# Allegro board HI3516AREFB_VER_B_PCB.brd (continued)
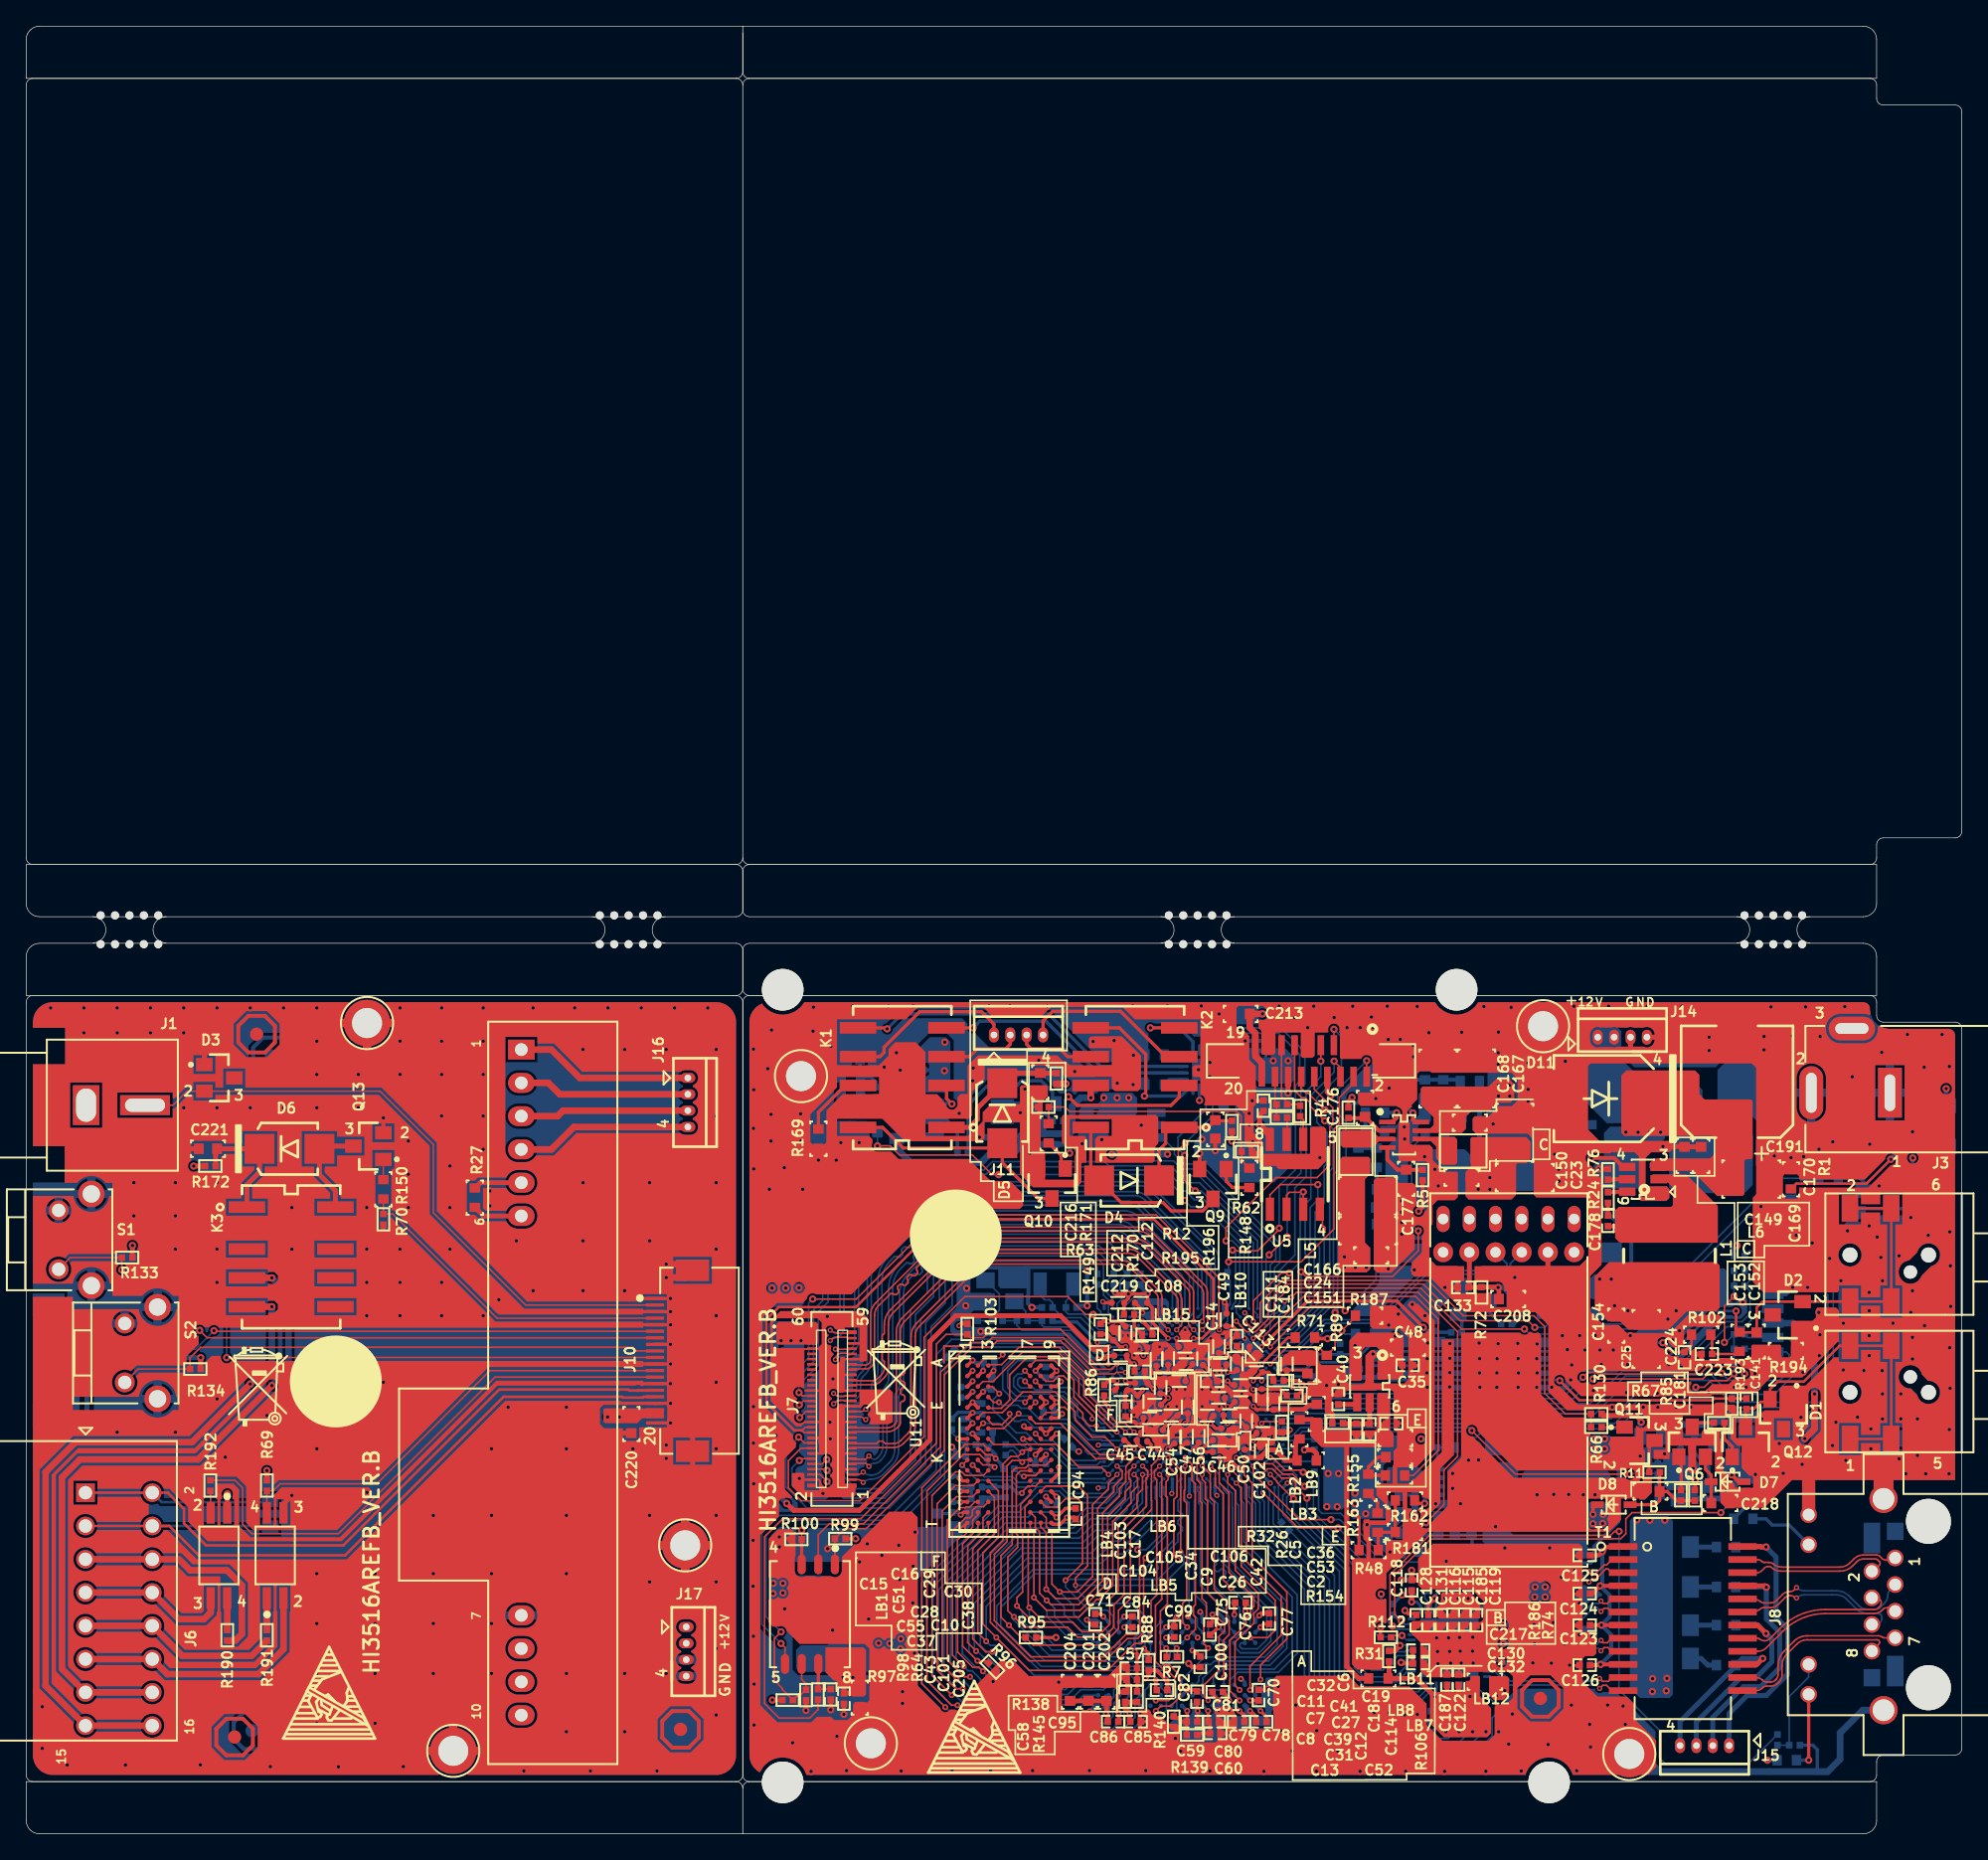
[diagram p0: board, top side]
## Placement (name value [footprint] x y rotation side) (continued)
LB12  NC  [SL0603]  111.34 11.6 0 top
LB13  MGLB2012_220T_LF  [SL0805]  120.1 40.56 270 bottom
LB14  MGLB2012_220T_LF  [SL0805]  124.03 30.32 0 bottom
LB15  NC  [SL0402]  84.18 39.65 180 top
LED1  LED2-4_A  [LED4-SMD]  147.04 48.81 90 bottom
LED2  LED  [SD3-1208-LED]  146.55 54.02 90 bottom
M5  HOLE  [HOLE140-90]  115.78 61.64 180 top
M6  HOLE  [HOLE140-90]  122.36 6.09 180 top
M7  HOLE  [HOLE140-90]  59.14 57.83 0 top
M8  HOLE  [HOLE140-90]  64.47 6.9 0 top
M9  HOLE  [HOLE140-90]  32.6 6.33 180 top
M10  HOLE  [HOLE140-90]  26.02 61.88 180 top
M11  HOLE  [HOLE140-90]  50.3 22.02 0 top
NOREF  -  [unnamed]  57.74 3.92 0 top
NOREF#2  -  [#2]  71.68 7.67 0 top
NOREF#3  -  [unnamed#3]  15.91 7.39 0 top
NOREF#4  -  [#2]  54.69 133.48 0 top
NOREF#5  -  [#2]  19.6 238.02 0 top
NOREF#6  -  [unnamed#4]  7.88 69 0 top
NOREF#7  -  [#2]  0 4.49 0 top
NOREF#8  -  [unnamed#3]  49.94 7.97 0 top
NOREF#9  -  [#2]  141.24 73.98 90 top
NOREF#10  -  [#2]  2.2 199.9 0 top
NOREF#11  -  [unnamed]  109.18 64.42 0 top
NOREF#12  -  [#2]  1.12 0 90 top
NOREF#13  -  [#2]  118.28 221.64 0 top
NOREF#14  -  [#2]  0 4.49 0 top
NOREF#15  -  [#2]  71.46 45.89 0 top
NOREF#16  -  [#2]  20.24 34.25 0 top
NOREF#17  -  [#2]  0.63 3.98 90 top
NOREF#18  -  [#2]  68.94 34.73 0 top
NOREF#19  -  [unnamed#4]  89.42 69 0 top
NOREF#20  -  [unnamed]  116.24 3.92 0 top
NOREF#21  -  [unnamed#3]  115.58 10.33 0 top
NOREF#22  -  [unnamed#3]  17.59 61.03 0 top
NOREF#23  -  [#2]  24.14 34.75 0 top
NOREF#24  -  [#2]  117.25 229.54 0 top
NOREF#25  -  [#2]  1.02 0 90 top
NOREF#26  -  [unnamed]  57.74 64.42 0 top
NOREF#27  -  [unnamed#4]  133.36 69 0 top
NOREF#28  -  [#2]  54.69 133.48 0 top
NOREF#29  -  [#2]  22.44 10.27 0 top
NOREF#30  -  [#2]  -181.12 -52.35 0 top
NOREF#31  -  [unnamed#4]  45.98 69 0 top
NOREF#32  -  [#2]  147.23 76.02 90 top
NOREF#33  -  [unnamed#3]  17.24 7.87 180 bottom
NOREF#34  -  [unnamed#3]  130.46 61.39 180 bottom
NOREF#35  -  [unnamed#3]  18.72 59.38 180 bottom
Q1  PMOS-GSD  [SOT23]  114.76 40.81 270 bottom
Q2  PMOS-GSD  [SOT23]  130.16 30.68 90 bottom
Q3  NPN-BEC  [SOT23]  110.45 40.69 90 bottom
Q4  NPN-BEC  [SOT23]  127.29 26.52 90 bottom
Q6  BC858AE6327  [SOT23]  127.16 29.92 0 top
Q7  NPN-BEC  [SOT23]  141.39 50.07 90 bottom
Q8  NPN-BEC  [SOT23]  138.64 47.42 90 bottom
Q9  NPN-BEC  [SOT23]  90.58 49.6 180 top
Q10  NPN-BEC  [SOT23]  78.3 49.63 180 top
Q11  NPN-BEC  [SOT23]  123.15 30.02 270 top
Q12  NPN-BEC  [SOT23]  131.24 29.91 0 top
Q13  NPN-BEC  [SOT23]  26.12 52.49 90 top
R1  510  [SR0603]  134.7 49.96 90 top
R2  100K  [SR0402]  107.3 29.48 0 bottom
R3  100K  [SR0402]  106 25.45 90 bottom
R4  100K  [SR0402]  100.92 55.04 270 top
R5  100K  [SR0402]  106.59 50.28 90 top
R6  100  [SR0402]  74.76 29.31 90 bottom
R7  100  [SR0402]  87.46 13.51 0 top
R8  510  [SR0603]  134.38 5.62 180 bottom
R9  100  [SR0402]  112.99 38.91 0 bottom
R10  100  [SR0402]  126.68 29.33 180 bottom
R11  100  [SR0402]  124.29 27.61 0 top
R12  120  [SR0402]  95.84 55.67 180 top
R21  33  [SR0402]  70.57 36.69 45 bottom
R22  33  [SR0402]  98.33 28.02 90 bottom
R23  33  [SR0402]  96.1 23.47 135 bottom
R24  18  [SR0402]  120.73 48.56 270 top
R25  0  [SR0402]  91.7 42.45 270 bottom
R26  11.8K  [SR0402]  101.54 30.89 270 top
R27  1.27K  [SR0603]  34.25 48.55 90 top
R28  4.7K  [SR0402]  85.05 42.34 270 bottom
R29  33  [SR0402]  103.76 14 180 bottom
R30  33  [SR0402]  81.74 42.34 270 bottom
R31  4.7K  [SR0402]  104.02 13.56 90 top
R32  24.9K  [SR0402]  100.1 31.34 0 top
R35  33  [SR0402]  107.21 8.96 90 bottom
R37  1MEG  [SR0402]  76.03 39.16 180 bottom
R38  1MEG  [SR0402]  66.88 56.59 90 bottom
R39  150K  [SR0603]  65.21 16.4 270 bottom
R40  56K  [SR0805]  77.68 55.72 0 bottom
R44  0  [SR0402]  130.65 25.17 180 bottom
R45  0  [SR0402]  133.67 7.17 90 bottom
R46  510  [SR0603]  131.06 24.04 180 bottom
R47  470K  [SR0603]  111.1 21.51 180 bottom
R48  470K  [SR0603]  102.47 21.65 180 top
R49  470K  [SR0603]  101.68 51.61 270 bottom
R50  470K  [SR0603]  110.19 57.45 180 bottom
R52  10K  [SR0603]  62.94 56.34 180 bottom
R53  10K  [SR0603]  62.94 57.74 0 bottom
R54  1K  [SR0402]  83.01 42.34 270 bottom
R55  1K  [SR0402]  84.03 42.34 270 bottom
R56  1K  [SR0402]  85.99 51.87 0 bottom
R57  1K  [SR0402]  84.08 51.87 180 bottom
R58  1K  [SR0402]  109.18 38.27 0 bottom
R59  1K  [SR0402]  107.53 38.78 270 bottom
R60  1K  [SR0402]  124.55 26.03 270 bottom
R61  1K  [SR0402]  124.54 27.86 270 bottom
R62  1K  [SR0402]  93.17 52.07 180 top
R63  1K  [SR0402]  77.65 55.47 0 top
R64  0  [SR0402]  60.43 10.64 270 top
R66  1K  [SR0402]  119.84 31.03 180 top
R67  1K  [SR0402]  129.22 31.38 180 top
R69  1K  [SR0402]  18.37 26.58 90 top
R70  1K  [SR0402]  27.26 46.9 90 top
R71  1.13K  [SR0603]  97.6 37.88 180 top
R72  10K  [SR0402]  111.08 41.32 90 top
R73  10K  [SR0402]  131.65 28.59 90 bottom
R74  10K  [SR0402]  127.37 25.83 90 top
R75  100K  [SR0402]  61.88 18.67 0 bottom
R76  100K  [SR0402]  120.73 50.34 270 top
R77  1  [SR0603]  86.13 57.18 180 bottom
R78  1  [SR0603]  86.13 59.47 180 bottom
R80  75K  [SR0603]  119.46 53.39 90 bottom
R81  2K  [SR0402]  118.57 40.31 270 bottom
R82  2K  [SR0402]  126.28 30.83 90 bottom
R83  2K  [SR0402]  78.75 54.4 180 bottom
R84  2K  [SR0402]  77.01 54.41 180 bottom
R85  470K  [SR0402]  130.2 32.82 90 top
R86  240  [SR0402]  82.28 33.85 270 top
R87  240  [SR0402]  75.01 27.86 0 bottom
R88  240  [SR0402]  85.68 12.87 90 top
R89  75  [SR0603]  99.27 35.78 90 top
R90  75  [SR0603]  129.75 12.87 180 bottom
R91  75  [SR0603]  129.75 15.92 180 bottom
R92  75  [SR0603]  129.75 18.84 180 bottom
R93  75  [SR0603]  129.75 21.89 180 bottom
R94  47K  [SR0805]  66.45 54 90 bottom
R95  4.7K  [SR0402]  76.69 14.98 180 top
R96  4.7K  [SR0402]  73.74 12.75 135 top
R97  4.7K_NC  [SR0402]  58.12 10.21 180 top
R98  4.7K_NC  [SR0402]  59.52 10.59 90 top
R99  4.7K  [SR0402]  62.14 22.53 0 top
R100  4.7K  [SR0402]  58.78 22.48 0 top
R102  1.1K  [SR0603]  127.85 38.1 180 top
R103  4.7K  [SR0402]  71.84 38.53 90 top
R105  4.7K  [SR0402]  98.33 29.73 270 bottom
R106  4.7K  [SR0402]  95.84 31.06 90 top
R107  4.7K  [SR0402]  111.42 8.96 90 bottom
R108  4.7K  [SR0402]  110.4 8.95 90 bottom
R109  4.7K  [SR0402]  109.38 8.96 90 bottom
R110  4.7K  [SR0402]  108.36 8.96 90 bottom
R111  4.7K  [SR0402]  103.42 17.13 90 bottom
R112  4.7K  [SR0402]  103.78 15 0 top
R115  4.7K  [SR0402]  105.75 18.97 270 bottom
R119  4.7K  [SR0402]  112.4 8.95 270 bottom
R121  4.7K  [SR0402]  104.31 17.13 90 bottom
R124  4.7K  [SR0402]  130.77 44.12 180 bottom
R125  4.7K  [SR0402]  130.77 42.97 180 bottom
R126  4.7K  [SR0402]  130.77 41.83 180 bottom
R127  4.7K  [SR0402]  130.76 38.12 180 bottom
R128  4.7K  [SR0402]  130.76 37.02 180 bottom
R129  4.7K  [SR0402]  130.76 35.92 180 bottom
R130  4.7K  [SR0402]  119.84 32.05 0 top
R131  4.7K  [SR0402]  135.67 50.44 270 bottom
R132  4.7K  [SR0402]  133.31 47.47 270 bottom
R133  4.7K  [SR0402]  7.7 43.98 0 top
R134  4.7K  [SR0402]  12.91 35.47 0 top
R136  51K  [SR0402]  71.48 51.96 0 bottom
R137  12.7K  [SR0603]  116.67 53.39 90 bottom
R138  1K  [SR0402]  84.39 11.76 0 top
R139  1K  [SR0402]  88.98 7.54 0 top
R140  1K  [SR0402]  87.59 8.56 90 top
R141  1K  [SR0402]  73.87 26.08 90 bottom
R142  1K  [SR0402]  72.55 26.46 180 bottom
R143  1K  [SR0402]  71.31 28.8 0 bottom
R144  1K  [SR0402]  70.65 31.26 90 bottom
R145  1K  [SR0402]  84.79 10.46 270 top
R146  1K  [SR0402]  78.63 53.03 270 bottom
R147  1K  [SR0402]  77.62 53.03 90 bottom
R148  2K  [SR0603]  93.37 50.07 270 top
R149  2K  [SR0603]  78.04 53.47 270 top
R150  2K  [SR0603]  27.26 49.19 90 top
R151  100K  [SR0603]  65.31 19.55 270 bottom
R152  0_NC  [SR0603]  105.62 22.91 0 bottom
R153  0_NC  [SR0603]  107.78 23.54 90 bottom
R154  0_NC  [SR0603]  104.48 27.35 0 top
R155  0_NC  [SR0603]  102.45 26.72 90 top
R156  0_NC  [SR0603]  102.32 46.53 0 bottom
R157  0_NC  [SR0603]  102.32 49.2 180 bottom
R158  0_NC  [SR0603]  109.56 55.42 90 bottom
R159  0_NC  [SR0603]  107.53 53.39 0 bottom
R160  0  [SR0603]  110.32 23.54 90 bottom
R161  0_NC  [SR0603]  109.05 23.54 270 bottom
R162  0  [SR0603]  105.24 25.45 180 top
R163  0_NC  [SR0603]  103.15 23.75 90 top
R164  0  [SR0603]  105.37 56.82 270 bottom
R165  0_NC  [SR0603]  108.16 56.82 90 bottom
R166  0  [SR0603]  102.95 55.04 180 bottom
R167  0_NC  [SR0603]  103.08 51.61 270 bottom
R168  0  [SR0603]  64.97 54.23 90 bottom
R169  0  [SR0603]  60.47 53.05 90 top
R170  10  [SR0402]  92.03 54.02 90 top
R171  10  [SR0402]  78.64 57.65 90 top
R172  10  [SR0402]  14.05 50.97 0 top
R173  100K  [SR0402]  64.85 56.59 270 bottom
R175  100  [SR0603]  144.74 50.72 0 bottom
R176  100  [SR0603]  137.57 51.33 0 bottom
R177  100  [SR0603]  137.57 50.06 0 bottom
R178  100  [SR0603]  135.21 48.33 0 bottom
R179  100  [SR0603]  135.21 47.06 0 bottom
R180  576K  [SR0603]  108.41 21.51 0 bottom
R181  576K  [SR0603]  105.24 23.03 180 top
R182  576K  [SR0603]  102.95 53.64 180 bottom
R183  576K  [SR0603]  106.76 56.82 90 bottom
R184  40.2K  [SR0603]  118.07 53.39 270 bottom
R185  10  [SR0402]  74.12 39.16 180 bottom
R186  27K  [SR0402]  126.3 25.83 90 top
R187  270  [SR0603]  102.19 39.54 180 top
R188  2.49K  [SR0603]  106.9 19.39 90 bottom
R189  270  [SR0603]  102.19 38.15 180 bottom
R190  330  [SR0402]  15.35 15.15 270 top
R191  330  [SR0402]  18.37 15.15 270 top
R192  330  [SR0402]  14.05 26.58 270 top
R193  1.1K  [SR0603]  130.78 37.56 270 top
R194  0  [SR0603]  134.32 36.85 0 top
R195  100  [SR0402]  95.84 54.66 180 top
R196  100  [SR0402]  97.24 55.16 90 top
S1  EVQPF204R  [TSW4-RG-C]  2.47 47.59 270 top
S2  EVQPF204R  [TSW4-RG-C]  7.52 38.95 270 top
T1  G24_0413ER  [STFM24-40-280]  126.45 16.43 270 top
U1  -  [POE]  37.79 59.86 270 top
U2  RTL8211E_VB  [MLF48A-040-0606L]  108.63 14.2 270 bottom
U3  796136_1  [BAT2-3_5]  65.82 45.51 90 bottom
U4  MX25L25635F  [WSON8-50-0806L]  59.82 16.76 180 top
U5  ADM3485EAR_REEL7  [SOP8-50-150]  96.84 50.34 0 top
U6  MP1470  [TSOT23-6]  123.4 49.96 90 top
U7  MP2162GQH_Z  [MLF8M-050-0202L]  62.97 16.63 270 bottom
U8  HI3516AV100  [BGA395-26-2222]  89.11 33.27 0 bottom
U9  PS2801_1_F3  [SGO4-50-173]  19 21.25 0 top
U10  PS2801_1_F3  [SGO4-50-173]  14.71 21.25 180 top
U11  H5TC4G63AFR_PBA1  [BGA96-32-1609G]  75.04 29.74 270 top
U12  H5TC4G63AFR_PBA1  [BGA96-32-1609G]  87.82 12.98 180 bottom
U13  MP6507  [QFN16-050-0303LH]  89.81 58.33 90 bottom
U14  TPS79301  [SOT23-6B]  102.55 34.16 180 top
U15  SGM8052  [SOP8-50-150]  71.83 55.12 270 bottom
U16  NC  [SOT23-6B]  85.03 54.09 270 bottom
U17  MP2122  [TSOT23-8]  108.92 26.84 90 bottom
U18  MP2122  [TSOT23-8]  105.17 53.35 270 top
X1  24MEG  [HSX4-0302]  74.33 41.45 180 bottom
X2  32.768KHZ  [HSX2-0302]  78.65 41.96 180 bottom

## Library data of the parts
C1-C4 C48 C53 C141 C143 C145-C154 C156-C159 C174-C177 C184 C201-C205 C208-C213 C215-C218 C220 C221 = SC0603
C5 C11 C33 C35 C36 C40 C43 C57-C68 C70 C71 C75-C96 C99-C101 C110 C112 C115-C119 C122-C140 C142 C144 C172 C173 C178-C182 C185-C190 C192 C197-C200 C214 C224 = SC0402
C6-C10 C12-C19 C26-C32 C34 C37-C39 C41 C42 C44-C47 C49-C52 C54-C56 C102-C106 C108 C111 C113 C114 C219 = SC0402-BGA
C20-C25 C193-C196 = SC1206
C160 C162-C170 C222 = SC1210
C191 = SCAPC2-280-327
C223 = HSC0402
D1-D3 D12 Q1-Q4 Q6-Q13 = SOT23
D4-D6 D9 D10 = SD1714A
D7 D8 = SOD323
D11 = SD2723
F1 = SF6127
J1 = VAF2
J2 = WL-UW163DN
J3 = PWC0103-M-N
J4 J5 = PHONEJ6
J6 = HD2X8_2_54
J7 = SED60-16F-A
J8 = MJ8-SRLFY
J9 = FPC20-1_0MM
J10 = FPC-20
J11 J14-J17 = WBC0104-49T
J12 = WTB4-1_25
J13 = TF_CARD-MISOSD
K1-K3 = SRLY8-87-283
L1 = SL2828
L2-L8 = HSL1008
LB1 LB4-LB8 LB10 LB15 = SL0402
LB2 LB3 LB9 LB11 LB12 = SL0603
LB13 LB14 = SL0805
LED1 = LED4-SMD
LED2 = SD3-1208-LED
M5-M11 = HOLE140-90
R1 R8 R27 R39 R47-R49 R52 R53 R71 R77 R78 R80 R90-R93 R102 R137 R148-R169 R176 R178-R184 R187-R189 = SR0603: signal model: SR0402
R2-R5 R9-R12 R21-R26 R28-R32 R35 R37 R38 R44 R45 R54-R64 R66 R67 R69 R70 R72-R76 R81-R88 R95-R100 R103 R105-R112 R115 R119 R121 R124-R134 R136 R138-R147 R170-R173 R185 R186 R190-R192 R195 R196 = SR0402
R6 R7 = SR0402: signal model: SR0402_33
R40 R94 = SR0805: signal model: SR0402
R46 R50 R89 R175 R177 R193 R194 = SR0603
S1 S2 = TSW4-RG-C
T1 = STFM24-40-280
U1 = POE
U2 = MLF48A-040-0606L
U3 = BAT2-3_5
U4 = WSON8-50-0806L: signal model: SR0402
U5 U15 = SOP8-50-150
U6 = TSOT23-6
U7 = MLF8M-050-0202L
U8 = BGA395-26-2222
U9 U10 = SGO4-50-173
U11 U12 = BGA96-32-1609G
U13 = QFN16-050-0303LH
U14 U16 = SOT23-6B
U17 U18 = TSOT23-8
X1 = HSX4-0302
X2 = HSX2-0302

## Footprints (pads in the part's own frame, mm; a bottom-side part is the same pattern mirrored in y, then rotated)
BAT2-3_5
  rect 1.016x4.013 smd: 1(-1.75,-8.18) 2(1.75,-8.18)
BGA96-32-1609G
  round 0.356 smd: A1(-6,-3.2) A2(-6,-2.4) A3(-6,-1.6) A7(-6,1.6) A8(-6,2.4) A9(-6,3.2) B1(-5.2,-3.2) B2(-5.2,-2.4) B3(-5.2,-1.6) B7(-5.2,1.6) B8(-5.2,2.4) B9(-5.2,3.2) C1(-4.4,-3.2) C2(-4.4,-2.4) C3(-4.4,-1.6) C7(-4.4,1.6) C8(-4.4,2.4) C9(-4.4,3.2) D1(-3.6,-3.2) D2(-3.6,-2.4) D3(-3.6,-1.6) D7(-3.6,1.6) D8(-3.6,2.4) D9(-3.6,3.2) E1(-2.8,-3.2) E2(-2.8,-2.4) E3(-2.8,-1.6) E7(-2.8,1.6) E8(-2.8,2.4) E9(-2.8,3.2) F1(-2,-3.2) F2(-2,-2.4) F3(-2,-1.6) F7(-2,1.6) F8(-2,2.4) F9(-2,3.2) G1(-1.2,-3.2) G2(-1.2,-2.4) G3(-1.2,-1.6) G7(-1.2,1.6) G8(-1.2,2.4) G9(-1.2,3.2) H1(-0.4,-3.2) H2(-0.4,-2.4) H3(-0.4,-1.6) H7(-0.4,1.6) H8(-0.4,2.4) H9(-0.4,3.2) J1(0.4,-3.2) J2(0.4,-2.4) J3(0.4,-1.6) J7(0.4,1.6) J8(0.4,2.4) J9(0.4,3.2) K1(1.2,-3.2) K2(1.2,-2.4) K3(1.2,-1.6) K7(1.2,1.6) K8(1.2,2.4) K9(1.2,3.2) L1(2,-3.2) L2(2,-2.4) L3(2,-1.6) L7(2,1.6) L8(2,2.4) L9(2,3.2) M1(2.8,-3.2) M2(2.8,-2.4) M3(2.8,-1.6) M7(2.8,1.6) M8(2.8,2.4) M9(2.8,3.2) N1(3.6,-3.2) N2(3.6,-2.4) N3(3.6,-1.6) N7(3.6,1.6) N8(3.6,2.4) N9(3.6,3.2) P1(4.4,-3.2) P2(4.4,-2.4) P3(4.4,-1.6) P7(4.4,1.6) P8(4.4,2.4) P9(4.4,3.2) R1(5.2,-3.2) R2(5.2,-2.4) R3(5.2,-1.6) R7(5.2,1.6) R8(5.2,2.4) R9(5.2,3.2) T1(6,-3.2) T2(6,-2.4) T3(6,-1.6) T7(6,1.6) T8(6,2.4) T9(6,3.2)
BGA395-26-2222
  round 0.254 smd: A1(-6.825,6.825) A2(-6.175,6.825) A3(-5.525,6.825) A4(-4.875,6.825) A5(-4.225,6.825) A6(-3.575,6.825) A7(-2.925,6.825) A8(-2.275,6.825) A9(-1.625,6.825) A10(-0.975,6.825) A11(-0.325,6.825) A12(0.325,6.825) A13(0.975,6.825) A14(1.625,6.825) A15(2.275,6.825) A16(2.925,6.825) A17(3.575,6.825) A18(4.225,6.825) A19(4.875,6.825) A20(5.525,6.825) A21(6.175,6.825) A22(6.825,6.825) AA1(-6.825,-6.175) AA2(-6.175,-6.175) AA3(-5.525,-6.175) AA4(-4.875,-6.175) AA5(-4.225,-6.175) AA6(-3.575,-6.175) AA7(-2.925,-6.175) AA8(-2.275,-6.175) AA9(-1.625,-6.175) AA10(-0.975,-6.175) AA11(-0.325,-6.175) AA12(0.325,-6.175) AA13(0.975,-6.175) AA14(1.625,-6.175) AA15(2.275,-6.175) AA16(2.925,-6.175) AA17(3.575,-6.175) AA18(4.225,-6.175) AA19(4.875,-6.175) AA20(5.525,-6.175) AA21(6.175,-6.175) AA22(6.825,-6.175) AB1(-6.825,-6.825) AB2(-6.175,-6.825) AB3(-5.525,-6.825) AB4(-4.875,-6.825) AB5(-4.225,-6.825) AB6(-3.575,-6.825) AB7(-2.925,-6.825) AB8(-2.275,-6.825) AB9(-1.625,-6.825) AB10(-0.975,-6.825) AB11(-0.325,-6.825) AB12(0.325,-6.825) AB13(0.975,-6.825) AB14(1.625,-6.825) AB15(2.275,-6.825) AB16(2.925,-6.825) AB17(3.575,-6.825) AB18(4.225,-6.825) AB19(4.875,-6.825) AB20(5.525,-6.825) AB21(6.175,-6.825) AB22(6.825,-6.825) B1(-6.825,6.175) B2(-6.175,6.175) B3(-5.525,6.175) B4(-4.875,6.175) B5(-4.225,6.175) B6(-3.575,6.175) B7(-2.925,6.175) B8(-2.275,6.175) B9(-1.625,6.175) B10(-0.975,6.175) B11(-0.325,6.175) B12(0.325,6.175) B13(0.975,6.175) B14(1.625,6.175) B15(2.275,6.175) B16(2.925,6.175) B17(3.575,6.175) B18(4.225,6.175) B19(4.875,6.175) B20(5.525,6.175) B21(6.175,6.175) B22(6.825,6.175) C1(-6.825,5.525) C2(-6.175,5.525) C3(-5.525,5.525) C4(-4.875,5.525) C5(-4.225,5.525) C6(-3.575,5.525) C7(-2.925,5.525) C8(-2.275,5.525) C9(-1.625,5.525) C10(-0.975,5.525) C11(-0.325,5.525) C12(0.325,5.525) C13(0.975,5.525) C14(1.625,5.525) C15(2.275,5.525) C16(2.925,5.525) C18(4.225,5.525) C19(4.875,5.525) C20(5.525,5.525) C21(6.175,5.525) C22(6.825,5.525) D1(-6.825,4.875) D2(-6.175,4.875) D3(-5.525,4.875) D4(-4.875,4.875) D5(-4.225,4.875) D6(-3.575,4.875) D7(-2.925,4.875) D8(-2.275,4.875) D9(-1.625,4.875) D10(-0.975,4.875) D11(-0.325,4.875) D12(0.325,4.875) D13(0.975,4.875) D14(1.625,4.875) D15(2.275,4.875) D16(2.925,4.875) D17(3.575,4.875) D18(4.225,4.875) D19(4.875,4.875) D20(5.525,4.875) D21(6.175,4.875) D22(6.825,4.875) E1(-6.825,4.225) E2(-6.175,4.225) E3(-5.525,4.225) E4(-4.875,4.225) E5(-4.225,4.225) E6(-3.575,4.225) E7(-2.925,4.225) E8(-2.275,4.225) E9(-1.625,4.225) E10(-0.975,4.225) E11(-0.325,4.225) E12(0.325,4.225) E13(0.975,4.225) E14(1.625,4.225) E17(3.575,4.225) E18(4.225,4.225) E19(4.875,4.225) E20(5.525,4.225) E21(6.175,4.225) E22(6.825,4.225) F1(-6.825,3.575) F2(-6.175,3.575) F3(-5.525,3.575) F4(-4.875,3.575) F5(-4.225,3.575) F18(4.225,3.575) F19(4.875,3.575) F20(5.525,3.575) F21(6.175,3.575) F22(6.825,3.575) G1(-6.825,2.925) G2(-6.175,2.925) G3(-5.525,2.925) G4(-4.875,2.925) G5(-4.225,2.925) G18(4.225,2.925) G19(4.875,2.925) G20(5.525,2.925) G21(6.175,2.925) G22(6.825,2.925) H1(-6.825,2.275) H2(-6.175,2.275) H3(-5.525,2.275) H4(-4.875,2.275) H8(-2.275,2.275) H9(-1.625,2.275) H10(-0.975,2.275) H11(-0.325,2.275) H12(0.325,2.275) H13(0.975,2.275) H14(1.625,2.275) H15(2.275,2.275) H18(4.225,2.275) H19(4.875,2.275) H20(5.525,2.275) H21(6.175,2.275) H22(6.825,2.275) J1(-6.825,1.625) J2(-6.175,1.625) J3(-5.525,1.625) J4(-4.875,1.625) J5(-4.225,1.625) J8(-2.275,1.625) J9(-1.625,1.625) J10(-0.975,1.625) J11(-0.325,1.625) J12(0.325,1.625) J13(0.975,1.625) J14(1.625,1.625) J15(2.275,1.625) J19(4.875,1.625) J20(5.525,1.625) J21(6.175,1.625) J22(6.825,1.625) K1(-6.825,0.975) K2(-6.175,0.975) K3(-5.525,0.975) K4(-4.875,0.975) K5(-4.225,0.975) K8(-2.275,0.975) K9(-1.625,0.975) K10(-0.975,0.975) K11(-0.325,0.975) K12(0.325,0.975) K13(0.975,0.975) K14(1.625,0.975) K15(2.275,0.975) K18(4.225,0.975) K19(4.875,0.975) K20(5.525,0.975) K21(6.175,0.975) K22(6.825,0.975) L1(-6.825,0.325) L2(-6.175,0.325) L3(-5.525,0.325) L4(-4.875,0.325) L5(-4.225,0.325) L8(-2.275,0.325) L9(-1.625,0.325) L10(-0.975,0.325) L11(-0.325,0.325) L12(0.325,0.325) L13(0.975,0.325) L14(1.625,0.325) L15(2.275,0.325) L18(4.225,0.325) L19(4.875,0.325) L20(5.525,0.325) L21(6.175,0.325) L22(6.825,0.325) M1(-6.825,-0.325) M2(-6.175,-0.325) M3(-5.525,-0.325) M4(-4.875,-0.325) M5(-4.225,-0.325) M8(-2.275,-0.325) M9(-1.625,-0.325) M10(-0.975,-0.325) M11(-0.325,-0.325) M12(0.325,-0.325) M13(0.975,-0.325) M14(1.625,-0.325) M15(2.275,-0.325) M18(4.225,-0.325) M19(4.875,-0.325) M20(5.525,-0.325) M21(6.175,-0.325) M22(6.825,-0.325) N1(-6.825,-0.975) N2(-6.175,-0.975) N3(-5.525,-0.975) N4(-4.875,-0.975) N5(-4.225,-0.975) N8(-2.275,-0.975) N9(-1.625,-0.975) N10(-0.975,-0.975) N11(-0.325,-0.975) N12(0.325,-0.975) N13(0.975,-0.975) N14(1.625,-0.975) N15(2.275,-0.975) N18(4.225,-0.975) N19(4.875,-0.975) N20(5.525,-0.975) N21(6.175,-0.975) N22(6.825,-0.975) P1(-6.825,-1.625) P2(-6.175,-1.625) P3(-5.525,-1.625) P4(-4.875,-1.625) P5(-4.225,-1.625) P8(-2.275,-1.625) P9(-1.625,-1.625) P10(-0.975,-1.625) P11(-0.325,-1.625) P12(0.325,-1.625) P13(0.975,-1.625) P14(1.625,-1.625) P15(2.275,-1.625) P18(4.225,-1.625) P19(4.875,-1.625) P20(5.525,-1.625) P21(6.175,-1.625) P22(6.825,-1.625) R1(-6.825,-2.275) R2(-6.175,-2.275) R3(-5.525,-2.275) R4(-4.875,-2.275) R5(-4.225,-2.275) R8(-2.275,-2.275) R9(-1.625,-2.275) R10(-0.975,-2.275) R11(-0.325,-2.275) R12(0.325,-2.275) R13(0.975,-2.275) R14(1.625,-2.275) R15(2.275,-2.275) R18(4.225,-2.275) R19(4.875,-2.275) R20(5.525,-2.275) R21(6.175,-2.275) R22(6.825,-2.275) T1(-6.825,-2.925) T2(-6.175,-2.925) T3(-5.525,-2.925) T4(-4.875,-2.925) T5(-4.225,-2.925) T18(4.225,-2.925) T19(4.875,-2.925) T20(5.525,-2.925) T21(6.175,-2.925) T22(6.825,-2.925) U1(-6.825,-3.575) U2(-6.175,-3.575) U3(-5.525,-3.575) U4(-4.875,-3.575) U5(-4.225,-3.575) U19(4.875,-3.575) U20(5.525,-3.575) U21(6.175,-3.575) U22(6.825,-3.575) V1(-6.825,-4.225) V2(-6.175,-4.225) V3(-5.525,-4.225) V4(-4.875,-4.225) V5(-4.225,-4.225) V6(-3.575,-4.225) V8(-2.275,-4.225) V10(-0.975,-4.225) V11(-0.325,-4.225) V12(0.325,-4.225) V13(0.975,-4.225) V15(2.275,-4.225) V16(2.925,-4.225) V17(3.575,-4.225) V18(4.225,-4.225) V19(4.875,-4.225) V20(5.525,-4.225) V21(6.175,-4.225) V22(6.825,-4.225) W1(-6.825,-4.875) W2(-6.175,-4.875) W3(-5.525,-4.875) W4(-4.875,-4.875) W5(-4.225,-4.875) W6(-3.575,-4.875) W7(-2.925,-4.875) W8(-2.275,-4.875) W9(-1.625,-4.875) W10(-0.975,-4.875) W11(-0.325,-4.875) W12(0.325,-4.875) W13(0.975,-4.875) W14(1.625,-4.875) W15(2.275,-4.875) W16(2.925,-4.875) W17(3.575,-4.875) W18(4.225,-4.875) W19(4.875,-4.875) W20(5.525,-4.875) W21(6.175,-4.875) W22(6.825,-4.875) Y1(-6.825,-5.525) Y2(-6.175,-5.525) Y3(-5.525,-5.525) Y4(-4.875,-5.525) Y5(-4.225,-5.525) Y6(-3.575,-5.525) Y7(-2.925,-5.525) Y8(-2.275,-5.525) Y9(-1.625,-5.525) Y10(-0.975,-5.525) Y11(-0.325,-5.525) Y12(0.325,-5.525) Y13(0.975,-5.525) Y14(1.625,-5.525) Y15(2.275,-5.525) Y16(2.925,-5.525) Y17(3.575,-5.525) Y18(4.225,-5.525) Y19(4.875,-5.525) Y20(5.525,-5.525) Y21(6.175,-5.525) Y22(6.825,-5.525)
FPC20-1_0MM
  rect 0.508x1.524 smd: 1(4.75,1.2) 2(4.25,-1.2) 3(3.75,1.2) 4(3.25,-1.2) 5(2.75,1.2) 6(2.25,-1.2) 7(1.75,1.2) 8(1.25,-1.2) 9(0.75,1.2) 10(0.25,-1.2) 11(-0.25,1.2) 12(-0.75,-1.2) 13(-1.25,1.2) 14(-1.75,-1.2) 15(-2.25,1.2) 16(-2.75,-1.2) 17(-3.25,1.2) 18(-3.75,-1.2) 19(-4.25,1.2) 20(-4.75,-1.2)
  rect 1.905x2.159 smd: 21(-6.35,0) 22(6.35,0)
FPC-20
  rect 0.254x1.397 smd: 1(4.75,3.392) 2(4.25,3.392) 3(3.75,3.392) 4(3.25,3.392) 5(2.75,3.392) 6(2.25,3.392) 7(1.75,3.392) 8(1.25,3.392) 9(0.75,3.392) 10(0.25,3.392) 11(-0.25,3.392) 12(-0.75,3.392) 13(-1.25,3.392) 14(-1.75,3.392) 15(-2.25,3.392) 16(-2.75,3.392) 17(-3.25,3.392) 18(-3.75,3.392) 19(-4.25,3.392) 20(-4.75,3.392)
  rect 1.651x2.54 smd: 21(-6.9,0.53) 22(6.9,0.53)
HD2X8_2_54
  rect 1.422x1.422 hole 1.016: 1(17.78,5.1)
  round 1.422 hole 1.016: 2(17.78,0) 3(15.24,5.1) 4(15.24,0) 5(12.7,5.1) 6(12.7,0) 7(10.16,5.1) 8(10.16,0) 9(7.62,5.1) 10(7.62,0) 11(5.08,5.1) 12(5.08,0) 13(2.54,5.1) 14(2.54,0) 15(0,5.1) 16(0,0)
HOLE140-90
  round 3.556 hole 2.286: 1(0,0)
HSC0402
  rect 0.508x0.508 smd: 1(-0.406,0) 2(0.406,0)
HSL1008
  rect 0.94x1.905 smd: 1(-1.029,0) 2(1.029,0)
HSX2-0302
  rect 1.016x1.778 smd: 1(-1.25,0) 2(1.25,0)
HSX4-0302
  rect 1.397x1.219 smd: 1(-1.1,-0.8) 2(1.1,-0.8) 3(1.1,0.8) 4(-1.1,0.8)
LED4-SMD
  rect 0.508x0.61 smd: 1(1.101,-0.451) 2(-1.101,-0.451)
  rect 0.406x0.61 smd: 3(0.376,-0.451) 4(-0.376,-0.451)
MJ8-SRLFY
  round 3.429 hole 3.429 unplated: (-2.794,2.54) (9.906,2.54)
  round 1.27 hole 0.914: 1(0,0) 2(1.016,-1.778) 3(2.032,0) 4(3.048,-1.778) 5(4.064,0) 6(5.08,-1.778) 7(6.096,0) 8(7.112,-1.778) 13(-3.302,-6.604) 14(-1.016,-6.604) 15(8.128,-6.604) 16(10.414,-6.604)
  round 2.159 hole 1.651: 11(-4.508,-0.889) 12(11.62,-0.889)
MLF8M-050-0202L
  rect 0.254x0.559 smd: 1(-0.75,-0.623)
  rect 0.254x0.508 smd: 2(-0.25,-0.648) 3(0.25,-0.648) 4(0.75,-0.648) 5(0.75,0.648) 6(0.25,0.648) 7(-0.25,0.648) 8(-0.75,0.648)
MLF48A-040-0606L
  rect 0.203x0.61 smd: 1(-2.2,-2.879) 2(-1.8,-2.879) 3(-1.4,-2.879) 4(-1,-2.879) 5(-0.6,-2.879) 6(-0.2,-2.879) 7(0.2,-2.879) 8(0.6,-2.879) 9(1,-2.879) 10(1.4,-2.879) 11(1.8,-2.879) 12(2.2,-2.879) 25(2.2,2.879) 26(1.8,2.879) 27(1.4,2.879) 28(1,2.879) 29(0.6,2.879) 30(0.2,2.879) 31(-0.2,2.879) 32(-0.6,2.879) 33(-1,2.879) 34(-1.4,2.879) 35(-1.8,2.879) 36(-2.2,2.879)
  rect 0.61x0.203 smd: 13(2.879,-2.2) 14(2.879,-1.8) 15(2.879,-1.4) 16(2.879,-1) 17(2.879,-0.6) 18(2.879,-0.2) 19(2.879,0.2) 20(2.879,0.6) 21(2.879,1) 22(2.879,1.4) 23(2.879,1.8) 24(2.879,2.2) 37(-2.879,2.2) 38(-2.879,1.8) 39(-2.879,1.4) 40(-2.879,1) 41(-2.879,0.6) 42(-2.879,0.2) 43(-2.879,-0.2) 44(-2.879,-0.6) 45(-2.879,-1) 46(-2.879,-1.4) 47(-2.879,-1.8) 48(-2.879,-2.2)
  rect 4.445x4.445 smd: 49(0,0)
PHONEJ6
  round 1.143 hole 1.143 unplated: (-2.54,0) (3.454,0)
  rect 1.27x2.032 smd: 1(3.454,3.556) 2(3.454,-3.556) 3(0.305,3.556) 4(0.305,-3.556) 5(-3.048,3.556) 6(-3.048,-3.556)
POE
  rect 1.524x2.032 hole 0.965: 1(0,0)
  oval 1.524x2.032 hole 0.965: 2(2.54,0) 3(5.08,0) 4(7.62,0) 5(10.16,0) 6(12.7,0) 7(43.18,0) 8(45.72,0) 9(48.26,0) 10(50.8,0)
PWC0103-M-N
  rect 1.829x3.81 hole 0.813x2.794: 1(0,0)
  oval 1.829x4.064 hole 0.813x3.048: 2(-6,0)
  oval 3.556x1.829 hole 2.54x0.813: 3(-2.9,4.9)
QFN16-050-0303LH
  oval 0.254x0.889 smd: 1(-0.75,-1.5) 2(-0.25,-1.5) 3(0.25,-1.5) 4(0.75,-1.5) 9(0.75,1.5) 10(0.25,1.5) 11(-0.25,1.5) 12(-0.75,1.5)
  oval 0.889x0.254 smd: 5(1.5,-0.75) 6(1.5,-0.25) 7(1.5,0.25) 8(1.5,0.75) 13(-1.5,0.75) 14(-1.5,0.25) 15(-1.5,-0.25) 16(-1.5,-0.75)
  rect 1.651x1.651 smd: 17(0,0)
SC0402
  rect 0.508x0.508 smd: 1(-0.406,0) 2(0.406,0)
SC0402-BGA
  custom 0.475x0.51 smd: 1(-0.47,0) 2(0.47,0)
SC0603
  rect 0.762x0.813 smd: 1(-0.699,0) 2(0.699,0)
SC1206
  rect 1.295x1.651 smd: 1(-1.346,0) 2(1.346,0)
SC1210
  rect 1.295x2.413 smd: 1(-1.346,0) 2(1.346,0)
SCAPC2-280-327
  rect 4.115x2.184 smd: 1(-3.55,0) 2(3.55,0)
SD3-1208-LED
  rect 1.143x1.524 smd: 1(1.56,0) 2(-1.56,0)
  rect 0.889x0.889 smd: 3(0,-0.65)
SD1714A
  rect 2.286x2.286 smd: 1(-2.286,0) 2(2.286,0)
SD2723
  rect 2.794x3.81 smd: 1(-3.556,0) 2(3.556,0)
SED60-16F-A
  rect 0.305x0.711 smd: 1(-5.851,-1.54) 2(-5.851,1.54) 59(5.851,-1.54) 60(5.851,1.54)
  rect 0.203x0.711 smd: 3(-5.4,-1.54) 4(-5.4,1.54) 5(-5,-1.54) 6(-5,1.54) 7(-4.6,-1.54) 8(-4.6,1.54) 9(-4.2,-1.54) 10(-4.2,1.54) 11(-3.8,-1.54) 12(-3.8,1.54) 13(-3.4,-1.54) 14(-3.4,1.54) 15(-3,-1.54) 16(-3,1.54) 17(-2.6,-1.54) 18(-2.6,1.54) 19(-2.2,-1.54) 20(-2.2,1.54) 21(-1.8,-1.54) 22(-1.8,1.54) 23(-1.4,-1.54) 24(-1.4,1.54) 25(-1,-1.54) 26(-1,1.54) 27(-0.6,-1.54) 28(-0.6,1.54) 29(-0.2,-1.54) 30(-0.2,1.54) 31(0.2,-1.54) 32(0.2,1.54) 33(0.6,-1.54) 34(0.6,1.54) 35(1,-1.54) 36(1,1.54) 37(1.4,-1.54) 38(1.4,1.54) 39(1.8,-1.54) 40(1.8,1.54) 41(2.2,-1.54) 42(2.2,1.54) 43(2.6,-1.54) 44(2.6,1.54) 45(3,-1.54) 46(3,1.54) 47(3.4,-1.54) 48(3.4,1.54) 49(3.8,-1.54) 50(3.8,1.54) 51(4.2,-1.54) 52(4.2,1.54) 53(4.6,-1.54) 54(4.6,1.54) 55(5,-1.54) 56(5,1.54) 57(5.4,-1.54) 58(5.4,1.54)
SF6127
  rect 2.286x3.175 smd: 1(-2.54,0) 2(2.54,0)
SGO4-50-173
  rect 0.635x1.651 smd: 1(-0.635,-3.25) 2(0.635,-3.25) 3(0.635,3.25) 4(-0.635,3.25)
SL0402
  rect 0.483x0.508 smd: 1(-0.394,0) 2(0.394,0)
SL0603
  rect 0.711x0.813 smd: 1(-0.74,0) 2(0.74,0)
SL0805
  rect 0.94x1.27 smd: 1(-0.851,0) 2(0.851,0)
SL2828
  rect 7.366x2.667 smd: 1(0,-2.325) 2(0,2.325)
SOD323
  rect 0.991x0.508 smd: 1(1.253,0) 2(-1.253,0)
SOP8-50-150
  rect 0.635x1.778 smd: 1(-1.905,-2.667) 2(-0.635,-2.667) 3(0.635,-2.667) 4(1.905,-2.667) 5(1.905,2.667) 6(0.635,2.667) 7(-0.635,2.667) 8(-1.905,2.667)
SOT23
  rect 1.016x1.27 smd: 1(-1.016,-1.143) 2(1.016,-1.143) 3(0,1.143)
SOT23-6B
  rect 0.635x1.397 smd: 1(-0.95,-1.225) 2(0,-1.225) 3(0.95,-1.225) 4(0.95,1.225) 5(0,1.225) 6(-0.95,1.225)
SR0402
  rect 0.508x0.508 smd: 1(-0.406,0) 2(0.406,0)
SR0603
  rect 0.711x0.813 smd: 1(-0.737,0) 2(0.737,0)
SR0805
  rect 0.838x1.143 smd: 1(-0.927,0) 2(0.927,0)
SRLY8-87-283
  rect 0.889x2.794 smd: 1(-3.8,-3.378) 2(-0.6,-3.378) 3(1.6,-3.378) 4(3.8,-3.378) 5(3.8,3.378) 6(1.6,3.378) 7(-0.6,3.378) 8(-3.8,3.378)
STFM24-40-280
  rect 0.508x2.184 smd: 1(-5.5,-4.56) 2(-4.5,-4.56) 3(-3.5,-4.56) 4(-2.5,-4.56) 5(-1.5,-4.56) 6(-0.5,-4.56) 7(0.5,-4.56) 8(1.5,-4.56) 9(2.5,-4.56) 10(3.5,-4.56) 11(4.5,-4.56) 12(5.5,-4.56) 13(5.5,4.56) 14(4.5,4.56) 15(3.5,4.56) 16(2.5,4.56) 17(1.5,4.56) 18(0.5,4.56) 19(-0.5,4.56) 20(-1.5,4.56) 21(-2.5,4.56) 22(-3.5,4.56) 23(-4.5,4.56) 24(-5.5,4.56)
TF_CARD-MISOSD
  round 1.016 hole 1.016 unplated: (-4.95,0) (3.05,0)
  rect 0.711x1.651 smd: 1(2.25,10.5) 2(1.15,10.5) 3(0.05,10.5) 4(-1.05,10.5) 5(-2.15,10.5) 6(-3.25,10.5) 7(-4.35,10.5) 8(-5.45,10.5) 12(-6.55,10.5)
  rect 1.27x2.286 smd: 9(-7.75,0.4) 13(7.75,0.4)
  rect 1.219x1.397 smd: 10(-7.75,10)
  rect 1.651x1.397 smd: 11(6.85,10)
TSOT23-6
  rect 0.635x1.27 smd: 1(-0.95,-1.2) 2(0,-1.2) 3(0.95,-1.2) 4(0.95,1.2) 5(0,1.2) 6(-0.95,1.2)
TSOT23-8
  rect 0.356x1.27 smd: 1(-0.975,-1.275) 2(-0.325,-1.275) 3(0.325,-1.275) 4(0.975,-1.275) 5(0.975,1.275) 6(0.325,1.275) 7(-0.325,1.275) 8(-0.975,1.275)
TSW4-RG-C
  round 1.524 hole 1.016: 1(0,0) 2(4.5,0)
  round 2.032 hole 1.321: 3(-1.25,2.5) 4(5.75,2.5)
unnamed
  round 3.175 hole 3.175 unplated: (0,0)
unnamed#3
  round 1.016 smd: 1(0,0)
unnamed#4
  round 0.61 hole 0.61 unplated: (-2.2,1.1) (-2.2,-1.1) (-1.1,1.1) (-1.1,-1.1) (0,1.1) (0,-1.1) (1.1,1.1) (1.1,-1.1) (2.2,1.1) (2.2,-1.1)
VAF2
  rect 1.524x3.81 hole 1.016x3.048: 1(0,4.496)
  rect 3.048x2.032 hole 2.54x1.524: 2(0,0)
WBC0104-49T
  oval 0.762x1.143 hole 0.508: 1(0,0) 2(1.25,0) 3(2.5,0) 4(3.75,0)
WL-UW163DN
  oval 1x2 hole 0.8: (0,-2.54) (2,-2.54) (4,-2.54) (6,-2.54) (8,-2.54) (10,-2.54)
  round 1.524 hole 0.8: 1(0,0) 2(2,0) 3(4,0) 4(6,0) 5(8,0) 6(10,0)
WSON8-50-0806L
  oval 0.635x1.524 smd: 1(-1.905,-3.8) 2(-0.635,-3.8) 3(0.635,-3.8) 4(1.905,-3.8) 5(1.905,3.8) 6(0.635,3.8) 7(-0.635,3.8) 8(-1.905,3.8)
WTB4-1_25
  rect 0.457x1.219 smd: 1(1.875,-2.74) 2(0.625,-2.74) 3(-0.625,-2.74) 4(-1.875,-2.74)
  rect 1.727x2.438 smd: 5(-4.225,0.18) 6(4.225,0.18)

## Nets
1V1_CPU_CORE: C9.1 C23.1 C34.1 C150.1 C169.1 L6.1 R50.1 U8.P8 U8.R8 U8.R9
1V1_DDR_CORE: C10.1 C22.1 C37.1 C38.1 C148.1 C165.1 L4.2 R48.2 U8.H8 U8.H10 U8.H11 U8.J8
1V1_MEDIA_CORE: C11.1 C12.1 C21.1 C39.1 C41.1 C42.1 C147.1 C164.1 L3.1 R47.1 U8.H15 U8.J15 U8.M15 U8.N15 U8.R13 U8.R14
1V1_VDD_CORE: C6.1 C7.1 C8.1 C16.1 C24.1 C26.1 C27.1 C28.1 C29.1 C30.1 C31.1 C32.1 C151.1 C166.1 L5.2 LB5.2 R49.2 U8.H13 U8.H14 U8.K15 U8.L8 U8.M8 U8.N8 U8.P15 U8.R10 U8.R11 U8.R15
1V5: C13.1 C20.1 C44.1 C45.1 C46.1 C47.1 C58.1 C60.1 C61.1 C63.1 C65.1 C66.1 C67.1 C68.1 C70.1 C71.1 C75.1 C76.1 C77.1 C78.1 C79.1 C80.1 C81.1 C82.1 C83.1 C84.1 C85.1 C86.1 C87.1 C88.1 C89.1 C90.1 C91.1 C92.1 C93.1 C94.1 C95.1 C96.1 C99.1 C100.1 C145.1 C201.1 C202.1 C203.1 C204.1 L2.2 R39.2 R139.2 R142.2 R144.2 R145.2 U7.4 U8.E6 U8.E9 U8.E10 U8.E12 U8.E13 U8.F5 U8.G5 U11.A1 U11.A8 U11.B2 U11.C1 U11.C9 U11.D2 U11.D9 U11.E9 U11.F1 U11.G7 U11.H2 U11.H9 U11.K2 U11.K8 U11.N1 U11.N9 U11.R1 U11.R9 U12.A1 U12.A8 U12.B2 U12.C1 U12.C9 U12.D2 U12.D9 U12.E9 U12.F1 U12.G7 U12.H2 U12.H9 U12.K2 U12.K8 U12.N1 U12.N9 U12.R1 U12.R9
1V05_REGOUT: C127.1 C128.1 C129.1 C130.1 C131.1 C132.1 C188.1 C189.1 L7.2 U2.3 U2.9 U2.28 U2.36 U2.40
1V8: C5.1 C36.1 C53.1 LB2.1 LB9.2 LB11.2 R26.2 U14.6
3V3: C14.1 C15.1 C17.1 C25.1 C35.1 C48.1 C49.1 C50.1 C51.1 C52.1 C101.1 C110.1 C112.1 C115.1 C116.1 C117.1 C118.1 C119.1 C136.2 C137.2 C139.2 C140.1 C143.1 C146.1 C149.1 C154.1 C160.1 C162.1 C163.1 C167.1 C168.1 C185.1 C186.1 C205.1 C210.1 C211.1 C213.1 C215.1 C222.1 D7.2 D8.1 J9.18 J9.19 L1.2 L8.2 LB1.1 LB3.1 LB4.2 LB6.2 LB7.2 LB8.2 LB10.1 LB12.2 LB13.1 LB14.1 LED2.1 R2.1 R3.1 R4.1 R5.1 R8.2 R56.2 R57.2 R74.2 R75.1 R97.2 R99.2 R103.2 R105.2 R111.2 R112.1 R115.1 R124.2 R130.2 R146.2 R170.1 R171.1 R175.1 R184.2 U2.6 U2.37 U2.41 U2.44 U2.45 U4.8 U5.8 U7.7 U8.F18 U8.G18 U8.L5 U8.M5 U8.V16 U8.V17 U13.10 U13.15 U14.1 U14.3 U15.8 U16.6 U17.7 U18.7
3V3_CON: C142.1 C220.1 J10.18 J10.19 J12.1 R69.2 R133.2 R134.2 R172.1 U10.1
3V3_SDXC: C134.1 C209.1 J13.4 Q2.3 R73.2
3V3_WIFI: C133.1 C208.1 J2.5 Q1.3 R72.2
12V0: C152.1 C153.1 C170.1 C191.1 D11.2 F1.2 R76.1 U6.3
AVDD11_PLL: C104.1 LB5.1 U8.R5
AVDD33_AC: C18.1 LB7.1 U8.N18
AVDD33_PLL: C105.1 LB6.1 LB15.1 U8.U5
AVDD33_USB: C113.1 LB10.2 U8.T18
AVDD33_VDAC: C19.1 LB8.1 U8.P18
AVDD_BAT: U3.1 U8.U3
AVDD_DDRPLL: C54.1 C55.1 C56.1 LB1.2 U8.E8 U8.E11 U8.J5
DVDD18_SDIO: C114.1 LB9.1 U8.L18
DVDD3318: C122.1 C187.1 LB11.1 LB12.1 R31.1 R107.1 R108.1 R109.1 R110.1 U2.15 U2.21
DVDDIO_RGMII: C102.1 LB2.2 LB3.2 U8.E17
